# KiCad board GPDI_ULX3S_panel.kicad_pcb (continued)
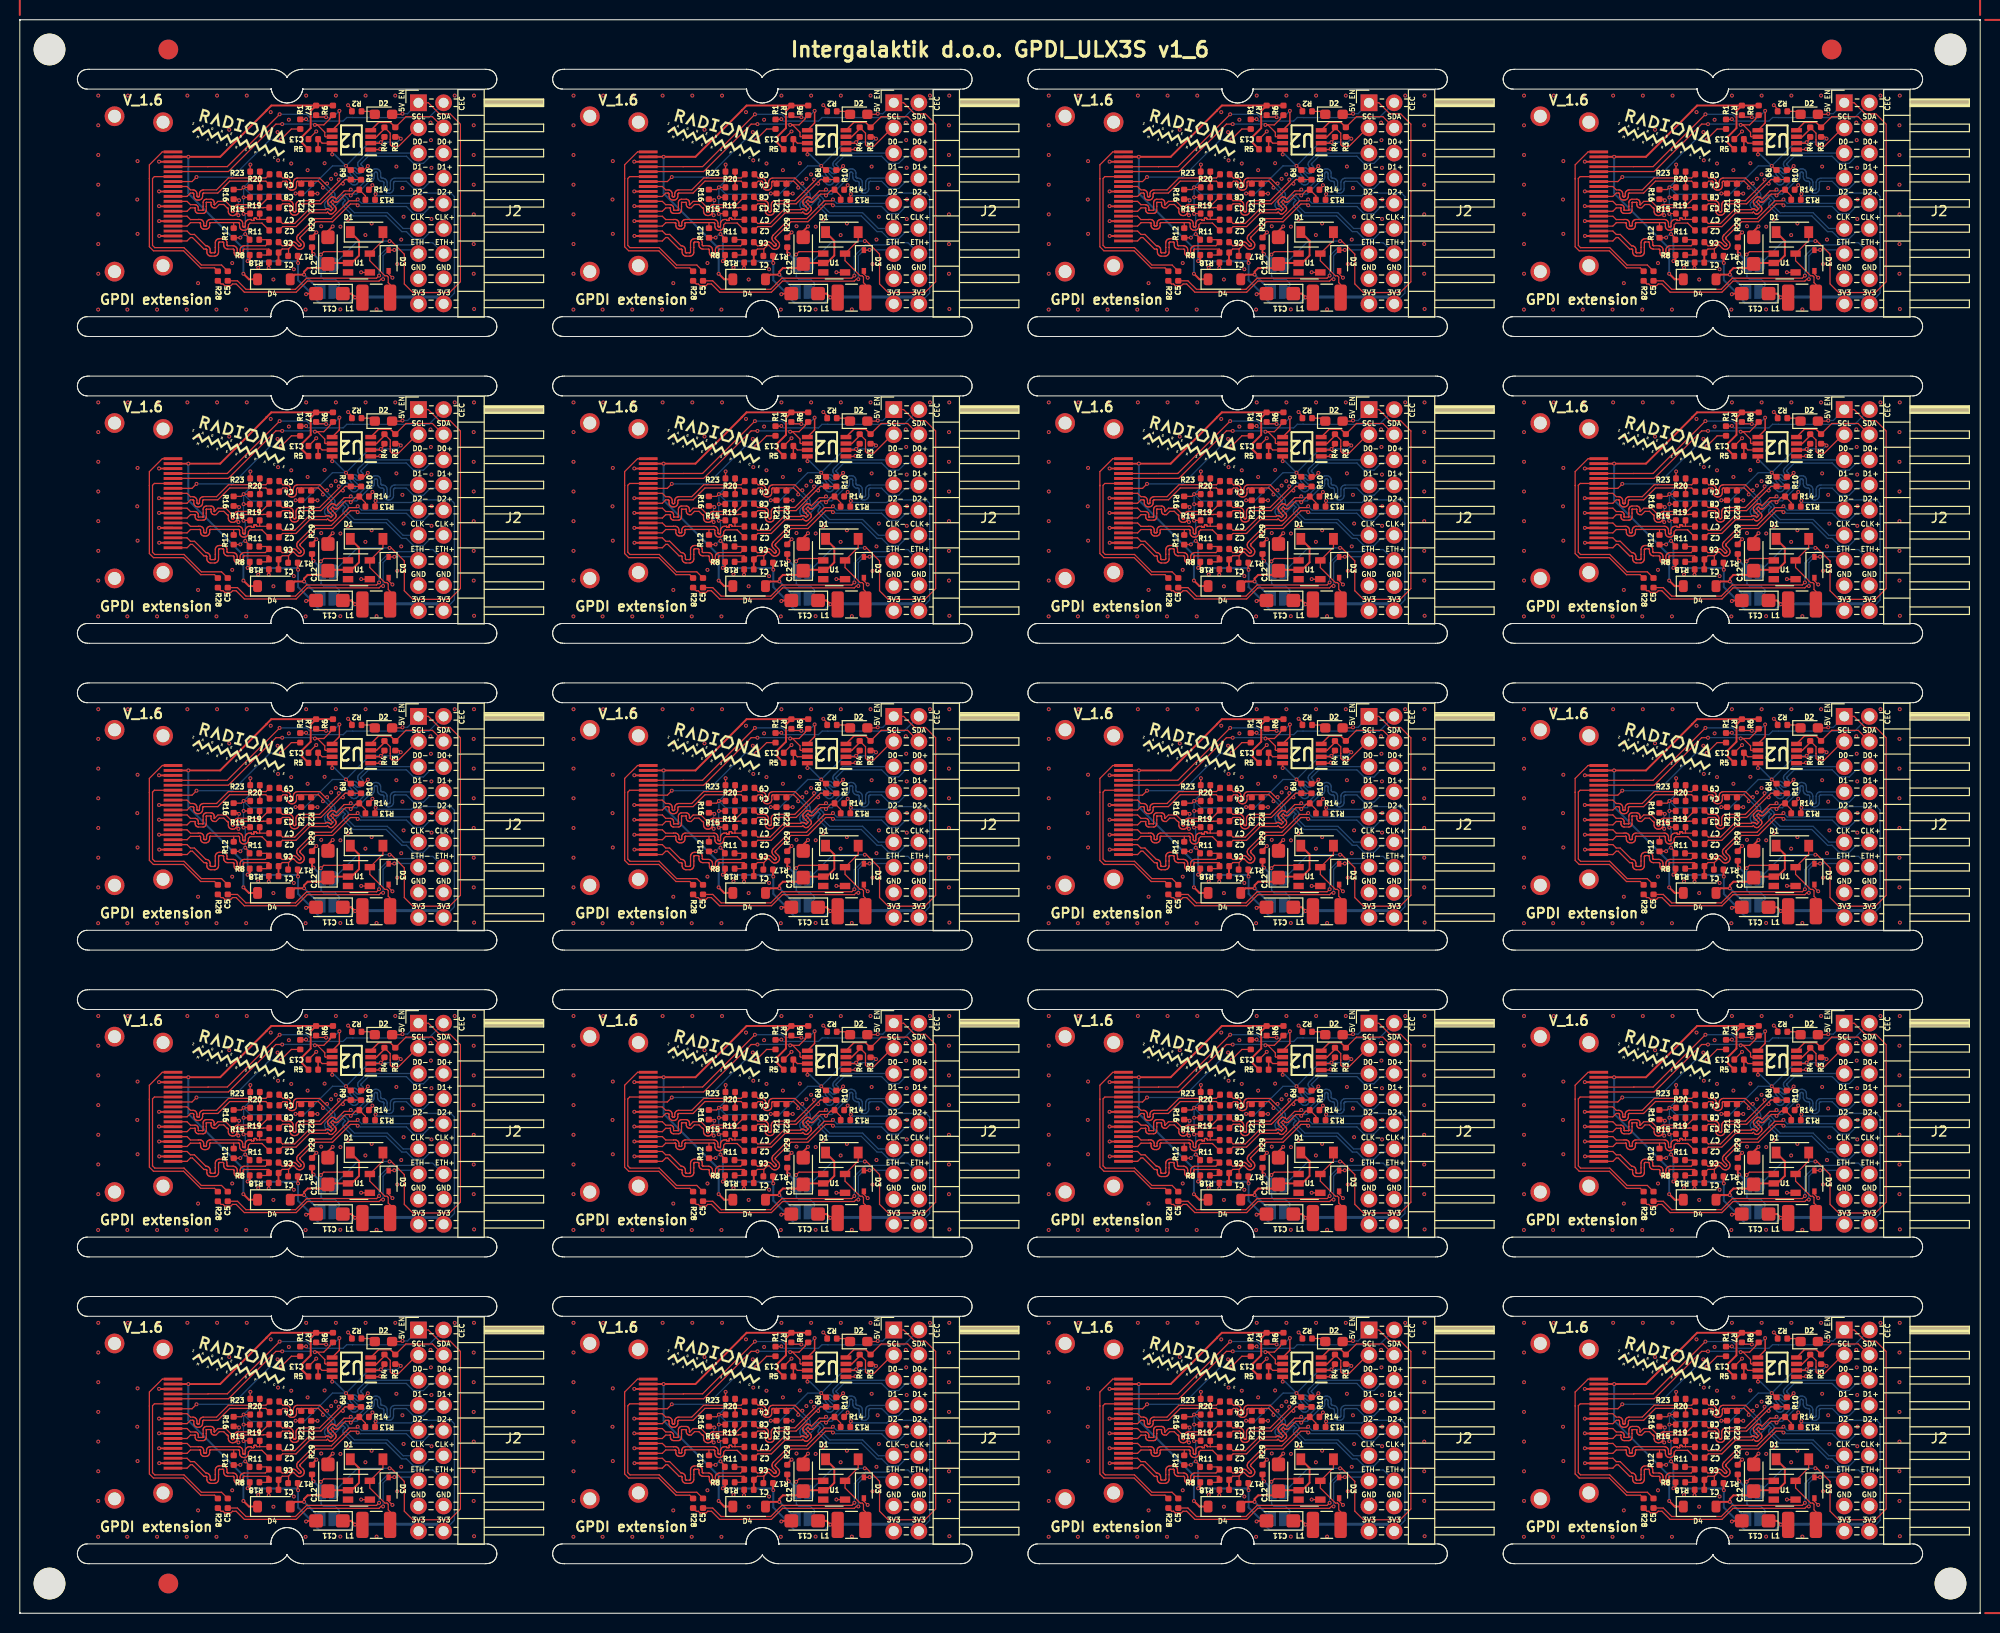
[diagram p0: board, top side]
## Routing (per net, layer and track width the routed paths; a pad name or vN(x,y) marks a point on that pad's centre or on a via; arc(x,y) is an arc through that point) (continued)
Board_6-GPDI_D1+: length 26.6
  Top w0.127: C2#13.1 122.54,109.1 123.9,109.1 125.29,110.49 126.99,110.49 127.08,110.58 127.21,110.46 127.26,110.42 127.32,110.39 127.39,110.37 127.46,110.37 127.52,110.39 127.58,110.42 127.63,110.46 127.86,110.68 127.9,110.74 127.93,110.8 127.95,110.86 127.95,110.93 127.93,110.99 127.9,111.06 127.86,111.11 127.62,111.35 127.63,111.36 127.41,111.58 127.61,111.78 127.73,111.66 127.79,111.61 127.85,111.59 127.91,111.57 127.98,111.57 128.04,111.59 128.1,111.61 128.16,111.66 128.89,112.39 129.29,112.39 v1(129.42,112.25) 129.91,112.74 130.19,112.74 R14#2.1 130.91,112.21 R13#18.2
  Bottom w0.127: v1(129.42,112.25) 129.56,112.39 130.03,112.39 131.31,113.68 131.34,113.68 131.44,113.69 131.54,113.72 131.62,113.78 131.7,113.85 131.75,113.93 131.78,114.03 131.8,114.13 131.8,114.45 131.8,114.49 131.81,114.53 131.83,114.56 131.86,114.58 131.89,114.6 131.92,114.62 131.96,114.62 132,114.62 132.03,114.6 132.06,114.58 132.09,114.56 132.11,114.53 132.12,114.49 132.13,114.45 132.13,114.13 132.14,114.03 132.17,113.93 132.23,113.85 132.3,113.78 132.38,113.72 132.48,113.69 132.58,113.68 132.61,113.68 132.65,113.67 132.68,113.66 132.71,113.64 132.74,113.61 132.76,113.58 132.77,113.55 132.78,113.51 132.78,112.94 132.79,112.84 132.82,112.74 132.88,112.65 132.95,112.58 133.03,112.53 133.13,112.49 133.23,112.48 133.29,112.48 133.39,112.49 133.49,112.53 133.57,112.58 133.65,112.65 133.7,112.74 133.73,112.84 133.75,112.94 133.75,113.51 133.75,113.55 133.76,113.58 133.78,113.61 133.81,113.64 133.84,113.66 133.87,113.67 133.91,113.68 135.04,113.68 135.76,112.95 136.76,112.95 137.48,113.68 138.48,113.68 138.8,114
Board_6-GPDI_D1-: length 21
  Top w0.127: v1(129.42,112.85) 129.29,112.71 128.76,112.71 127.94,111.89 127.82,112.02 127.77,112.06 127.71,112.09 127.64,112.11 127.57,112.11 127.51,112.09 127.45,112.06 127.39,112.02 127.17,111.79 127.13,111.74 127.1,111.68 127.08,111.62 127.08,111.55 127.1,111.48 127.13,111.42 127.17,111.37 127.41,111.13 127.4,111.12 127.62,110.9 127.42,110.7 127.3,110.82 127.24,110.86 127.18,110.89 127.12,110.91 127.05,110.91 126.98,110.89 126.92,110.86 126.87,110.82 126.86,110.81 125.16,110.81 123.77,109.42 122.54,109.42 C7#8.1
  Bottom w0.127: 136.26,114 133.88,114 133.78,113.98 133.68,113.95 133.6,113.9 133.53,113.82 133.47,113.74 133.44,113.64 133.43,113.54 133.43,112.97 133.42,112.93 133.41,112.89 133.39,112.86 133.36,112.84 133.33,112.82 133.3,112.8 133.26,112.8 133.22,112.8 133.19,112.82 133.16,112.84 133.13,112.86 133.11,112.89 133.1,112.93 133.1,112.97 133.1,113.54 133.08,113.64 133.05,113.74 133,113.82 132.92,113.9 132.84,113.95 132.74,113.98 132.64,114 132.61,114 132.57,114 132.54,114.01 132.51,114.03 132.48,114.06 132.46,114.09 132.45,114.12 132.45,114.16 132.45,114.48 132.43,114.58 132.4,114.68 132.35,114.77 132.27,114.84 132.19,114.89 132.09,114.93 131.99,114.94 131.93,114.94 131.83,114.93 131.73,114.89 131.65,114.84 131.58,114.77 131.52,114.68 131.49,114.58 131.48,114.48 131.48,114.16 131.47,114.12 131.46,114.09 131.44,114.06 131.41,114.03 131.38,114.01 131.35,114 131.31,114 131.18,114 129.89,112.71 129.56,112.71 v1(129.42,112.85)
Board_6-GPDI_D2+: length 22.7
  Top w0.127: C1#14.1 122.5,106.84 123.14,106.84 ; R17#20.2 123.14,106.19 123.14,106.84 ; 123.14,106.84 123.49,107.19 123.51,107.21 123.54,107.22 123.57,107.23 123.6,107.23 123.63,107.22 123.66,107.21 123.69,107.19 123.96,106.92 124.03,106.86 124.12,106.82 124.21,106.79 124.31,106.79 124.4,106.82 124.49,106.86 124.57,106.92 124.6,106.96 124.67,107.03 124.71,107.12 124.73,107.21 124.73,107.31 124.71,107.41 124.67,107.49 124.6,107.57 124.34,107.84 124.32,107.86 124.3,107.89 124.3,107.92 124.3,107.95 124.3,107.98 124.32,108.01 124.34,108.04 125.89,109.59 127.59,109.59 129.39,111.39 129.99,111.39 v1(130.12,111.25)
  Top w0.2: R18#11.1 122.13,106.47 C1#14.1
  Bottom w0.127: v1(130.12,111.25) 130.27,111.25 130.38,111.14 135.04,111.14 135.76,110.41 136.76,110.41 137.48,111.14 138.48,111.14 J2#5.10
Board_6-GPDI_D2-: length 17.8
  Top w0.127: C6#16.1 122.5,107.16 123.01,107.16 123.28,107.43 123.36,107.49 123.44,107.53 123.54,107.56 123.64,107.56 123.73,107.53 123.82,107.49 123.89,107.43 124.16,107.16 124.19,107.14 124.21,107.13 124.25,107.12 124.28,107.12 124.31,107.13 124.34,107.14 124.36,107.16 124.38,107.19 124.39,107.22 124.4,107.25 124.4,107.28 124.39,107.31 124.38,107.34 124.36,107.36 124.09,107.63 124.03,107.71 123.99,107.79 123.97,107.89 123.97,107.98 123.99,108.08 124.03,108.17 124.09,108.24 125.76,109.91 127.46,109.91 129.26,111.71 129.99,111.71 v1(130.12,111.85)
  Bottom w0.127: v1(130.12,111.85) 130.52,111.45 J2#5.9
Board_6-GPDI_ETH+: length 25.7
  Top w0.127: C5#16.1 117.98,103.62 118.84,102.77 123.84,102.77 124.97,103.89 132.03,103.89 v1(132.29,104.15)
  Bottom w0.127: v1(132.29,104.15) 132.29,106.13 133.41,107.25 135.65,107.25 135.87,107.47 137.71,107.47 J2#5.14
Board_6-GPDI_ETH-: length 24.8
  Top w0.127: v1(133.82,106.75) 133.8,106.72 D3#5.1 ; v1(132.69,103.79) 132.48,103.79 132.29,103.6 125.03,103.6 123.91,102.48 118.68,102.48 117.85,103.31 117.48,103.31 117.31,103.14 116.69,103.14 116.52,103.31 116.32,103.31 R28#18.2
  Bottom w0.127: v1(132.69,103.79) 132.69,103.79 132.69,106.16 133.27,106.75 v1(133.82,106.75) 135.89,106.75 J2#5.13
Board_6-GPDI_SCL: length 21.1
  Top w0.127: R6.2 127.32,120.06 127.32,120 126.7,119.38 v1(125.8,119.38) 126.05,119.38 126.8,118.63 126.8,118.25 126.87,118.18 U2#14.6 ; P1#10.15 111.48,114.67 117.07,114.67 121.86,119.46 v1(122.5,119.46)
  Bottom w0.127: v1(125.8,119.38) 125.71,119.47 122.51,119.47 v1(122.5,119.46)
Board_6-GPDI_SDA: length 22.8
  Top w0.127: R7#2.2 126.11,120.18 126.91,120.18 v1(126.93,120.16) ; P1#10.16 115.01,115.15 115.02,115.17 116.96,115.17 v1(122.24,120.45)
  Top w0.15: U2#14.5 128.27,119.57 v1(128.27,120.8)
  Bottom w0.127: v1(122.24,120.45) 124.97,120.45 125.25,120.17 126.92,120.17 v1(126.93,120.16) 126.99,120.1 127.58,120.1 v1(128.27,120.8)
Board_6-Net-(D1-A): length 8.1
  Top w0.127: L1#9.2 133.4,103.25 133.21,103.44 133.21,104.01 133.08,104.13 132.87,104.13 131.35,105.66 U1#11.5 132.67,107.7 D1#15.2
Board_6-Net-(D1-K): length 13.2
  Top w0.2: D1#15.1 130.26,107.66 130.26,106.18 129.51,105.42 U1#11.2 127.22,105.42 C12#4.1 126.7,104.91 125.07,104.91 124.71,104.55 v1(124.71,104.25) 123.78,104.25 D4#13.2
  Bottom w0.2: v1(124.71,104.25) 126.37,102.59 JP2#19.1
Board_6-Net-(D2-K): length 1.5
  Top w0.127: R2#12.1 131.55,120.75 D2#20.1
Board_6-Net-(U2-VREF2): length 2.6
  Top w0.127: U2#14.7 126.53,117.53 C13#9.1
  Top w0.15: R5.2 C13#9.1
Board_6-PMOD_SCL: length 8.1
  Top w0.127: 135.88,118.69 136.26,119.08 136.11,119.08 134.25,117.21 133.59,117.21 133.41,117.38 133.41,117.88 133.41,117.88 133.41,118.55 R4#9.2
  Top w0.15: R4#9.2 132.82,118.98 132.03,118.18 U2#14.3
Board_6-PMOD_SDA: length 8.8
  Top w0.127: 138.8,119.08 137.67,120.21 135,120.21 R3#8.2
  Top w0.15: U2#14.4 132.24,119.63 133.43,119.63 R3#8.2
Board_7-5V_ENABLE: length 54.8
  Top w0.127: v1(174.41,106.28) 174.7,106.57 176.95,106.57 U1#10.1 ; v1(181.34,107.64) 181.51,107.64 182.83,106.32 182.83,103.31 183.7,102.44 187.41,102.44 188.5,103.53 188.5,119.45 187.46,120.49 186.39,120.49 185.26,121.61 J2#17.1 183.8,121.15 ; D2#12.2 182.59,120.45 v1(182.65,120.51)
  Top w0.2: R29#15.1 173.51,106.48 v1(173.66,106.33)
  Bottom w0.127: JP1#4.1 178.12,107.64 v1(181.34,107.64) ; v1(174.41,106.28) 174.41,106.01 174.42,106 JP1#4.2 174.43,105.25 174.43,104.03 174.44,104.03 174.68,103.79 175.86,103.79 176.26,103.39 176.26,103.13 JP2#2.2 ; v1(182.65,120.51) 183.16,120.51 J2#17.1
  Bottom w0.2: v1(173.66,106.33) 174.42,105.57 JP1#4.2
  Bottom w0.5: JP1#4.2 JP1#4.1
Board_7-+3V3: length 87.4
  Top w0.127: R19#13.1 v1(166.6,112.06) ; v1(171.85,112.45) R21#15.1 ; R12#17.1 166.26,107.97 v1(166.27,107.99) ; v1(177.86,101.95) 177.88,101.92 L1#7.1 ; R3#9.1 182.3,118.17 v1(182.47,117.99) ; R11#3.1 167.21,107.91 v1(166.77,108.35) ; v1(176.94,115.24) 177.36,114.82 R9#6.1 ; R15#6.1 166.62,110.42 v1(166.59,110.39) ; R23#2.1 167.27,115.35 v1(167.29,115.37) ; v1(180.47,117.63) 180.82,117.99 R4#3.1 ; R20#16.1 v1(166.6,113.07) 166.38,112.85 R16#13.1 ; R13#13.1 179.88,112.33 v1(179.93,112.38)
  Top w0.15: U2#7.2 180.37,117.53 v1(180.47,117.63) ; v1(175.55,116.4) 175.54,116.41 U2#7.8
  Top w0.2: R8#17.1 167.23,105.84 v1(167.01,105.62) ; v1(172.1,105.43) 172.07,105.46 R17#18.1 ; C11.1 177.48,102.33 v1(177.86,101.95)
  Bottom w0.127: v1(166.6,113.07) v1(166.6,112.06) 166.59,112.05 v1(166.59,110.39) 166.77,110.22 v1(166.77,108.35) 166.63,108.35 v1(166.27,107.99) ; v1(166.6,113.07) 167.29,113.75 v1(167.29,115.37) ; v1(166.6,113.07) 167.3,112.37 171.77,112.37 v1(171.85,112.45) 172.79,112.45 175.58,115.24 v1(176.94,115.24) 179.34,117.63 v1(180.47,117.63) 182.12,117.63 v1(182.47,117.99) ; v1(179.93,112.38) 180.08,112.23 183.56,112.23 183.83,112.5 187.54,112.5 187.89,112.14 187.89,102.38 186.8,101.3
  Bottom w0.15: v1(176.94,115.24) 175.78,116.4 v1(175.55,116.4)
  Bottom w0.2: v1(166.77,108.35) 167.01,108.11 v1(167.01,105.62) 167.03,105.6 171.93,105.6 v1(172.1,105.43) 172.1,103.68 173.65,102.14 173.65,102 174.24,101.41 177.32,101.41 v1(177.86,101.95)
  Bottom w0.3: 186.8,101.3 186.11,101.99 177.9,101.99 v1(177.86,101.95)
Board_7-+5V: length 39.3
  Top w0.2: R5#20.1 172.53,117.55 172.53,118.2 173.38,119.06 173.38,120.79 R7#17.1 ; D4#19.1 167.14,103.78 v1(166.58,104.34) ; P1#13.18 v1(161.02,116.15) 164.24,116.15 168.92,120.83 168.92,120.85 169.4,121.33 R7#17.1 ; R6#8.1 R7#17.1
  Bottom w0.2: v1(161.02,116.15) 161.02,112.46 166.58,106.9 v1(166.58,104.34)
Board_7-/CEC: length 15.1
  Top w0.127: R1#11.1 171.43,118.97 v1(170.37,117.91) ; v1(161.85,114.11) 161.39,113.65 P1#13.13
  Bottom w0.127: v1(170.37,117.91) 169.28,117.91 165.47,114.11 v1(161.85,114.11)
Board_7-/CLK+: length 12.1
  Top w0.127: P1#13.10 160.89,112.15 161.23,112.5 161.45,112.5 161.48,112.49 161.51,112.48 161.53,112.47 161.55,112.45 161.56,112.43 161.57,112.4 161.57,112.38 161.57,112.19 161.58,112.1 161.61,112.02 161.66,111.94 161.73,111.87 161.8,111.82 161.89,111.79 161.98,111.78 162.05,111.78 162.14,111.79 162.23,111.82 162.31,111.87 162.37,111.94 162.42,112.02 162.45,112.1 162.46,112.19 162.46,112.38 162.47,112.4 162.48,112.43 162.49,112.45 162.51,112.47 162.53,112.48 162.55,112.49 162.58,112.5 164,112.5 165.2,113.7 168.85,113.7 C4#16.2
  Top w0.15: R20#16.2 168.24,113.67
Board_7-/CLK-: length 12.2
  Top w0.127: C9#2.2 168.85,114.02 168.26,114.02 ; 168.26,114.02 165.07,114.02 163.87,112.81 162.56,112.81 162.46,112.8 162.38,112.77 162.3,112.72 162.23,112.66 162.19,112.58 162.15,112.49 162.14,112.4 162.14,112.22 162.14,112.19 162.13,112.17 162.12,112.15 162.1,112.13 162.08,112.11 162.05,112.1 162.03,112.1 162.01,112.1 161.98,112.1 161.96,112.11 161.93,112.13 161.92,112.15 161.9,112.17 161.89,112.19 161.89,112.22 161.89,112.4 161.88,112.49 161.85,112.58 161.8,112.66 161.74,112.72 161.66,112.77 161.57,112.8 161.48,112.81 161.23,112.81 160.89,113.15 P1#13.12 ; 168.26,114.02 168.24,114.03 R23#2.2
Board_7-/D0+: length 15.7
  Top w0.127: P1#13.7 160.89,110.65 161.23,111 161.67,111 161.68,110.99 161.69,110.99 161.7,110.99 161.7,110.98 161.71,110.97 161.71,110.97 161.71,110.96 161.71,110.78 161.72,110.7 161.74,110.63 161.79,110.57 161.84,110.51 161.9,110.47 161.97,110.45 162.05,110.44 162.49,110.44 162.57,110.45 162.64,110.47 162.7,110.51 162.76,110.57 162.8,110.63 162.82,110.7 162.83,110.78 162.83,111.15 162.83,111.51 162.83,111.52 162.84,111.53 162.84,111.54 162.85,111.54 162.85,111.55 162.86,111.55 162.87,111.55 163.27,111.55 163.28,111.55 163.29,111.55 163.3,111.54 163.3,111.54 163.31,111.53 163.31,111.52 163.31,111.51 163.31,111.33 163.32,111.26 163.35,111.19 163.39,111.12 163.44,111.07 163.5,111.03 163.58,111 163.65,111 163.8,111 164.14,111.34 164.6,111.34 164.93,111.01 164.96,111 164.99,110.99 165.01,110.98 165.03,110.96 165.04,110.93 165.05,110.91 165.06,110.88 165.06,110.64 165.07,110.55 165.1,110.46 165.15,110.38 165.22,110.31 165.3,110.26 165.38,110.23 165.48,110.22 165.53,110.22 165.62,110.23 165.71,110.26 165.79,110.31 165.86,110.38 ; 165.86,110.38 165.91,110.46 165.94,110.55 165.95,110.64 165.95,110.88 165.95,110.91 165.96,110.93 165.98,110.96 166,110.98 166.02,110.99 166.05,111 166.08,111.01 166.15,111.01 166.18,111 166.2,110.99 166.23,110.98 166.25,110.96 166.26,110.93 166.27,110.91 166.28,110.88 166.28,110.87 166.28,110.84 166.29,110.82 166.3,110.79 166.32,110.77 166.35,110.76 166.37,110.75 166.4,110.75 166.43,110.75 166.46,110.76 166.48,110.77 166.5,110.79 166.52,110.82 166.53,110.84 166.53,110.87 166.53,110.88 166.53,110.91 166.54,110.93 166.56,110.96 166.58,110.98 166.6,110.99 166.63,111 166.66,111.01 168.57,111.01 168.59,111.03 C3.2 ; 165.86,110.38 165.95,110.38 v1(166.08,110.25) ; R16#13.2 166.03,111.88 v1(166.15,111.76)
  Bottom w0.127: v1(166.15,111.76) 166.08,111.7 v1(166.08,110.25)
Board_7-/D0-: length 14.1
  Top w0.127: P1#13.9 160.89,111.65 161.23,111.31 161.69,111.31 161.77,111.31 161.84,111.28 161.9,111.24 161.96,111.19 162,111.12 162.02,111.05 162.03,110.98 162.03,110.8 162.03,110.79 162.03,110.78 162.04,110.77 162.05,110.77 162.05,110.76 162.06,110.76 162.07,110.76 162.47,110.76 162.48,110.76 162.49,110.76 162.5,110.77 162.5,110.77 162.51,110.78 162.51,110.79 162.51,110.8 162.51,111.15 162.51,111.15 162.51,111.53 162.52,111.61 162.55,111.68 162.59,111.74 162.64,111.8 162.7,111.84 162.78,111.86 162.85,111.87 163.29,111.87 163.37,111.86 163.44,111.84 163.5,111.8 163.56,111.74 163.6,111.68 163.62,111.61 163.63,111.53 163.63,111.35 163.63,111.34 163.64,111.34 163.64,111.33 163.65,111.32 163.65,111.32 163.66,111.32 163.67,111.31 164.01,111.65 164.8,111.65 165.28,111.17 165.33,111.09 165.37,111 165.38,110.91 165.38,110.67 165.38,110.64 165.39,110.61 165.4,110.59 165.42,110.57 165.45,110.55 165.47,110.54 165.5,110.54 165.53,110.54 165.56,110.55 165.58,110.57 165.6,110.59 165.62,110.61 165.63,110.64 165.63,110.67 165.63,110.91 165.64,111 165.67,111.09 165.72,111.17 165.79,111.23 165.87,111.28 165.96,111.31 166.05,111.33 168.39,111.33 C8#9.2 169.13,112.06
  Top w0.15: 168.2,111.33 168.22,111.34 R19#13.2
Board_7-/D1+: length 12.6
  Top w0.127: P1#13.4 160.89,109.15 161.23,109.5 162.15,109.5 162.16,109.51 162.18,109.5 162.2,109.5 162.22,109.49 162.23,109.47 162.25,109.45 162.25,109.43 162.26,109.41 162.26,109.23 162.27,109.14 162.29,109.06 162.34,108.99 162.4,108.93 162.48,108.88 162.56,108.85 162.64,108.84 162.79,108.84 162.87,108.85 162.95,108.88 163.03,108.93 163.09,108.99 163.14,109.06 163.16,109.14 163.17,109.23 163.17,109.41 163.18,109.43 163.18,109.45 163.19,109.47 163.21,109.49 163.23,109.5 163.25,109.5 163.27,109.51 166.07,109.51 166.1,109.5 166.13,109.49 166.15,109.48 166.17,109.46 166.18,109.43 166.19,109.41 166.2,109.38 166.2,109.15 166.21,109.05 166.24,108.97 166.29,108.89 166.36,108.82 166.44,108.77 166.52,108.74 166.62,108.73 166.67,108.73 166.76,108.74 166.85,108.77 166.93,108.82 167,108.89 167.05,108.97 167.08,109.05 167.09,109.15 167.09,109.29 167.26,109.46 168.45,109.46 C2#5.2 ; R12#17.2 165.6,109.49
Board_7-/D1-: length 12.8
  Top w0.127: C7#3.2 169.16,109.83 168.23,109.83 ; R15#6.2 168.23,109.83 ; 168.23,109.83 167.97,109.83 167.95,109.83 167.94,109.83 167.92,109.84 167.91,109.85 167.9,109.87 167.9,109.88 167.9,109.91 167.89,109.93 167.88,109.94 167.87,109.96 167.86,109.96 167.84,109.97 167.82,109.97 167.72,109.97 167.7,109.97 167.68,109.96 167.67,109.96 167.66,109.94 167.65,109.93 167.65,109.91 167.64,109.9 167.64,109.78 167.64,109.76 167.64,109.75 167.63,109.74 167.62,109.74 167.61,109.73 167.6,109.73 167.59,109.73 167.44,109.73 167.43,109.73 167.42,109.73 167.41,109.74 167.4,109.74 167.39,109.75 167.39,109.76 167.39,109.79 167.38,109.8 167.38,109.81 167.37,109.81 167.36,109.82 167.35,109.82 167.34,109.83 167.19,109.83 167.1,109.81 167.01,109.78 166.93,109.73 166.86,109.67 166.81,109.59 166.78,109.5 166.77,109.41 166.77,109.17 166.77,109.15 166.76,109.12 166.74,109.09 166.72,109.07 166.7,109.06 166.67,109.05 166.64,109.05 166.61,109.05 166.59,109.06 166.56,109.07 166.54,109.09 166.53,109.12 166.52,109.15 166.52,109.17 166.52,109.41 166.51,109.5 166.47,109.59 166.42,109.67 166.36,109.73 166.28,109.78 166.19,109.81 166.1,109.83 163.24,109.83 163.16,109.82 163.08,109.79 163,109.74 162.94,109.68 162.89,109.61 162.87,109.52 162.86,109.44 162.86,109.25 162.85,109.23 162.85,109.21 162.83,109.2 162.82,109.18 162.8,109.17 162.78,109.16 162.76,109.16 162.67,109.16 162.65,109.16 162.63,109.17 162.61,109.18 162.59,109.2 162.58,109.21 162.58,109.23 162.57,109.25 162.57,109.44 162.56,109.52 162.54,109.61 162.49,109.68 162.43,109.74 162.35,109.79 162.27,109.82 162.19,109.83 162.03,109.83 162.02,109.81 161.23,109.81 160.89,110.15 P1#13.6
Board_7-/D2+: length 15
  Top w0.127: R8#17.2 168.92,106.23 C1#20.2 169.17,106.8 169.14,106.83 166.65,106.83 166.62,106.82 166.6,106.79 166.58,106.77 166.57,106.74 166.57,106.71 166.57,106.5 166.56,106.4 166.52,106.31 166.47,106.23 166.4,106.16 166.32,106.1 166.23,106.07 166.13,106.06 166.08,106.06 165.98,106.07 165.89,106.1 165.81,106.16 165.74,106.23 165.69,106.31 165.66,106.4 165.64,106.5 165.64,106.71 165.64,106.74 165.63,106.77 165.61,106.79 165.59,106.82 165.56,106.83 165.01,106.83 164.91,106.84 164.83,106.88 164.75,106.92 164.68,106.99 164.63,107.07 164.6,107.16 164.59,107.25 164.59,107.44 164.59,107.47 164.58,107.49 164.57,107.51 164.55,107.53 164.53,107.54 164.51,107.55 164.48,107.55 164.18,107.55 164.16,107.55 164.14,107.54 164.11,107.53 164.1,107.51 164.08,107.49 164.08,107.47 164.07,107.44 164.07,107 164.07,106.53 164.06,106.44 164.03,106.35 163.98,106.27 163.92,106.21 163.84,106.16 163.75,106.13 163.66,106.12 163.31,106.12 163.21,106.13 163.13,106.16 163.05,106.21 162.98,106.27 162.93,106.35 162.9,106.44 162.89,106.53 162.89,106.73 162.89,106.75 162.88,106.77 162.87,106.79 162.85,106.81 162.83,106.82 162.81,106.83 162.78,106.83 162.6,106.83 161.43,108 161.24,108 160.89,107.65 P1#13.1
Board_7-/D2-: length 14.8
  Top w0.127: R11#3.2 168.91,107.78 C6#12.2 168.8,107.17 166.68,107.17 166.59,107.16 166.49,107.12 166.41,107.07 166.34,107 166.29,106.92 166.26,106.83 166.25,106.73 166.25,106.52 166.24,106.49 166.23,106.46 166.22,106.43 166.19,106.41 166.17,106.39 166.14,106.38 166.11,106.38 166.07,106.38 166.04,106.39 166.02,106.41 165.99,106.43 165.98,106.46 165.97,106.49 165.96,106.52 165.96,106.73 165.95,106.83 165.92,106.92 165.87,107 165.8,107.07 165.72,107.12 165.63,107.16 165.53,107.17 165.03,107.17 165.01,107.17 164.99,107.18 164.96,107.19 164.95,107.21 164.93,107.23 164.93,107.25 164.92,107.27 164.92,107.47 164.91,107.56 164.88,107.65 164.83,107.73 164.77,107.79 164.69,107.84 164.6,107.87 164.51,107.88 164.16,107.88 164.06,107.87 163.98,107.84 163.9,107.79 163.83,107.73 163.78,107.65 163.75,107.56 163.74,107.47 163.74,107 163.74,106.56 163.74,106.54 163.73,106.51 163.72,106.49 163.7,106.48 163.68,106.46 163.66,106.45 163.63,106.45 163.33,106.45 163.31,106.45 163.28,106.46 163.26,106.48 163.25,106.49 163.23,106.51 163.23,106.54 163.22,106.56 163.22,106.75 163.21,106.84 163.18,106.93 163.13,107.01 163.07,107.08 162.99,107.13 162.9,107.16 162.81,107.17 162.78,107.17 161.63,108.31 161.24,108.31 160.89,108.65 P1#13.3
Board_7-/ETH+: length 17.6
  Top w0.127: C5#11.2 164.38,105.22 162.34,105.22 160.58,106.98 157.63,106.98 157.4,107.2 157.4,113.97 157.59,114.15 P1#13.14
Board_7-/ETH-: length 19.2
  Top w0.127: R28#10.1 163.67,104.93 162.27,104.93 160.54,106.66 157.5,106.66 157.09,107.07 157.09,113.93 ; 157.09,113.93 157.09,115.35 158.39,116.65 P1#13.19 ; 157.09,113.93 157.09,113.97
Board_7-GND: length 17.5
  Top w0.127: v1(173.94,118.72) 173.94,118.72 C13#2.2 ; v1(179.61,113.29) 179.61,113.19 R14#17.2 ; v1(174.07,112.44) 174.06,112.44 R22#6.2 ; v1(178.47,104.49) 178.49,104.47 U1#10.4 ; R2#11.2 177.54,120.98 v1(177.15,121.37) ; v1(181.63,103.94) 181.25,104.33 D3#2.2 ; v1(179.15,115.22) 178.75,114.82 R10#19.2
  Top w0.15: v1(180.4,116.94) 180.35,116.88 U2#7.1
  Top w0.2: R29#15.2 173.51,108.08 v1(173.95,108.52) ; C12#14.2 175.12,108.64 v1(175.6,109.12) ; R18#4.2 169.16,104.94 v1(169.14,104.93) ; P1#13.11 158.07,112.65 v1(158.06,112.66) ; P1#13.17 158.07,115.65 v1(158.06,115.67) ; P1#13.5 158.07,109.65 v1(158.07,109.66) ; P1#13.8 158.08,111.15 v1(158.06,111.18) ; P1#13.2 158.08,108.15 v1(158.08,108.16) ; C11.2 172.97,102.33 v1(172.91,102.27)
  In1.Cu w0.5: 184.38,103.72 J2#17.15
  vias: v1(151.92,122.34) v1(151.92,119.34) v1(151.92,116.34) v1(151.92,113.34) v1(151.92,110.34) v1(151.92,107.34) v1(151.92,104.34) v1(151.91,100.72) v1(154.92,122.34) v1(154.86,100.72) v1(155.89,115.72) v1(155.86,111.84) v1(155.89,108.37) v1(157.92,122.34) v1(157.86,100.72) v1(160.92,122.34) v1(160.86,100.72) v1(162.02,118.97) v1(162,103.39) v1(163.92,122.34) v1(163.86,100.72) v1(165.15,118.89) v1(165.45,105.42) v1(166.92,122.34) v1(166.86,100.72) v1(168.08,104.94) v1(169.34,120.67) v1(169.61,103.76) v1(170.03,118.65) v1(170.08,115.8) v1(171.17,119.9) v1(171.41,115.48) v1(171.68,104.79) v1(172.92,122.34) v1(172.86,100.72) v1(173.07,114.81) v1(174.44,109.14) v1(174.78,115.51) v1(175.44,113.93) v1(175.92,122.34) v1(175.91,114.38) v1(176.38,109.1) v1(176.37,100.74) v1(177.14,109.81) v1(178.92,122.34) v1(178.9,108.25) v1(179.53,109.42) v1(180.03,100.74) v1(181.92,122.34) v1(182.03,115.17) v1(182.12,105.32) v1(182.52,107.79) v1(182.64,113) v1(182.76,110.1) v1(185.48,119.61) v1(185.52,117.84) v1(185.57,115.05) v1(185.6,111.85) v1(185.58,109.87) v1(187.92,122.34) v1(189.84,119.34) v1(189.84,116.34) v1(189.84,113.34) v1(189.84,110.34) v1(189.84,107.34) v1(189.84,104.34) v1(189.87,122.34) v1(189.88,100.78)
Board_7-GPDI_CEC: length 15.3
  Top w0.127: R1#11.2 172.89,119.94 v1(172.91,119.96)
  Bottom w0.127: v1(172.91,119.96) 173.1,119.77 176.66,119.77 177.02,120.13 177.6,120.13 177.61,120.12 185.31,120.12 J2#17.2
Board_7-GPDI_CLK+: length 24.8
  Top w0.127: R22#6.1 173.42,113.69 ; 173.43,113.69 174.16,113.69 174.62,113.23 v1(174.62,113.04) ; 173.43,113.69 172.44,113.69 ; 172.44,113.69 172.09,113.69 172.06,113.69 172.03,113.68 172,113.66 171.98,113.64 171.96,113.61 171.95,113.58 171.95,113.55 171.95,113.22 171.94,113.12 171.9,113.03 171.85,112.95 171.78,112.88 171.7,112.83 171.61,112.8 171.51,112.79 171.46,112.79 171.36,112.8 171.27,112.83 171.19,112.88 171.12,112.95 171.07,113.03 171.04,113.12 171.03,113.22 171.03,113.55 171.02,113.58 171.01,113.61 171,113.64 170.97,113.66 170.95,113.68 170.92,113.69 170.89,113.69 170.57,113.69 C4#16.1 ; 172.44,113.69 172.42,113.67 R21#15.2
  Bottom w0.127: v1(174.62,113.04) 174.81,113.04 175.46,112.39 175.48,112.36 175.49,112.33 175.5,112.29 175.5,112.26 175.49,112.22 175.48,112.19 175.46,112.16 174.91,111.61 174.85,111.53 174.8,111.44 174.78,111.34 174.78,111.24 174.8,111.14 174.85,111.05 174.91,110.97 174.95,110.93 175.03,110.86 175.12,110.82 175.22,110.8 175.32,110.8 175.42,110.82 175.51,110.86 175.59,110.93 176.62,111.95 176.63,111.96 176.63,111.96 176.64,111.96 176.65,111.96 176.65,111.96 176.66,111.96 176.67,111.95 176.85,111.77 176.86,111.76 176.86,111.75 176.86,111.75 176.86,111.74 176.86,111.73 176.86,111.72 176.85,111.72 176.73,111.59 176.68,111.53 176.65,111.47 176.63,111.39 176.63,111.32 176.65,111.25 176.68,111.18 176.73,111.12 177.66,110.19 180.99,110.19 182.58,108.6 183.04,108.6 183.76,107.87 184.76,107.87 185.48,108.6 186.48,108.6 186.8,108.92
Board_7-GPDI_CLK-: length 21
  Top w0.127: v1(175.03,113.46) 174.84,113.46 174.29,114.01 172.06,114.01 171.96,114 171.87,113.97 171.79,113.92 171.72,113.85 171.67,113.77 171.64,113.68 171.63,113.58 171.63,113.25 171.62,113.21 171.61,113.18 171.6,113.16 171.57,113.14 171.55,113.12 171.52,113.11 171.49,113.1 171.46,113.11 171.43,113.12 171.4,113.14 171.38,113.16 171.36,113.18 171.35,113.21 171.35,113.25 171.35,113.58 171.34,113.68 171.3,113.77 171.25,113.85 171.18,113.92 171.1,113.97 171.01,114 170.91,114.01 170.57,114.01 C9#2.1
  Bottom w0.127: 184.26,108.92 182.71,108.92 181.12,110.51 177.79,110.51 176.97,111.33 176.96,111.34 176.96,111.35 176.96,111.35 176.96,111.36 176.96,111.37 176.96,111.37 176.97,111.38 177.09,111.51 177.14,111.57 177.17,111.63 177.19,111.71 177.19,111.78 177.17,111.85 177.14,111.92 177.09,111.98 176.88,112.19 176.82,112.24 176.75,112.27 176.68,112.29 176.61,112.29 176.53,112.27 176.47,112.24 176.41,112.19 175.39,111.17 175.36,111.15 175.33,111.13 175.29,111.13 175.25,111.13 175.22,111.13 175.18,111.15 175.15,111.17 175.13,111.2 175.12,111.24 175.11,111.27 175.11,111.31 175.12,111.34 175.13,111.38 175.15,111.41 175.7,111.95 175.76,112.03 175.81,112.13 175.83,112.23 175.83,112.33 175.81,112.43 175.76,112.52 175.7,112.6 175.03,113.27 v1(175.03,113.46)
